# Altium PCB Board_C24_vrs02.PcbDoc (part 1 of 2)
Units mil, origin at the board's own origin, x right, y up, seen from the top; angles counter-clockwise.
Board outline 3346.5 x 3937.01 mil, 2 copper layers (Top Layer, Bottom Layer); 104 components, 99 nets, 511 pads, 285 vias.
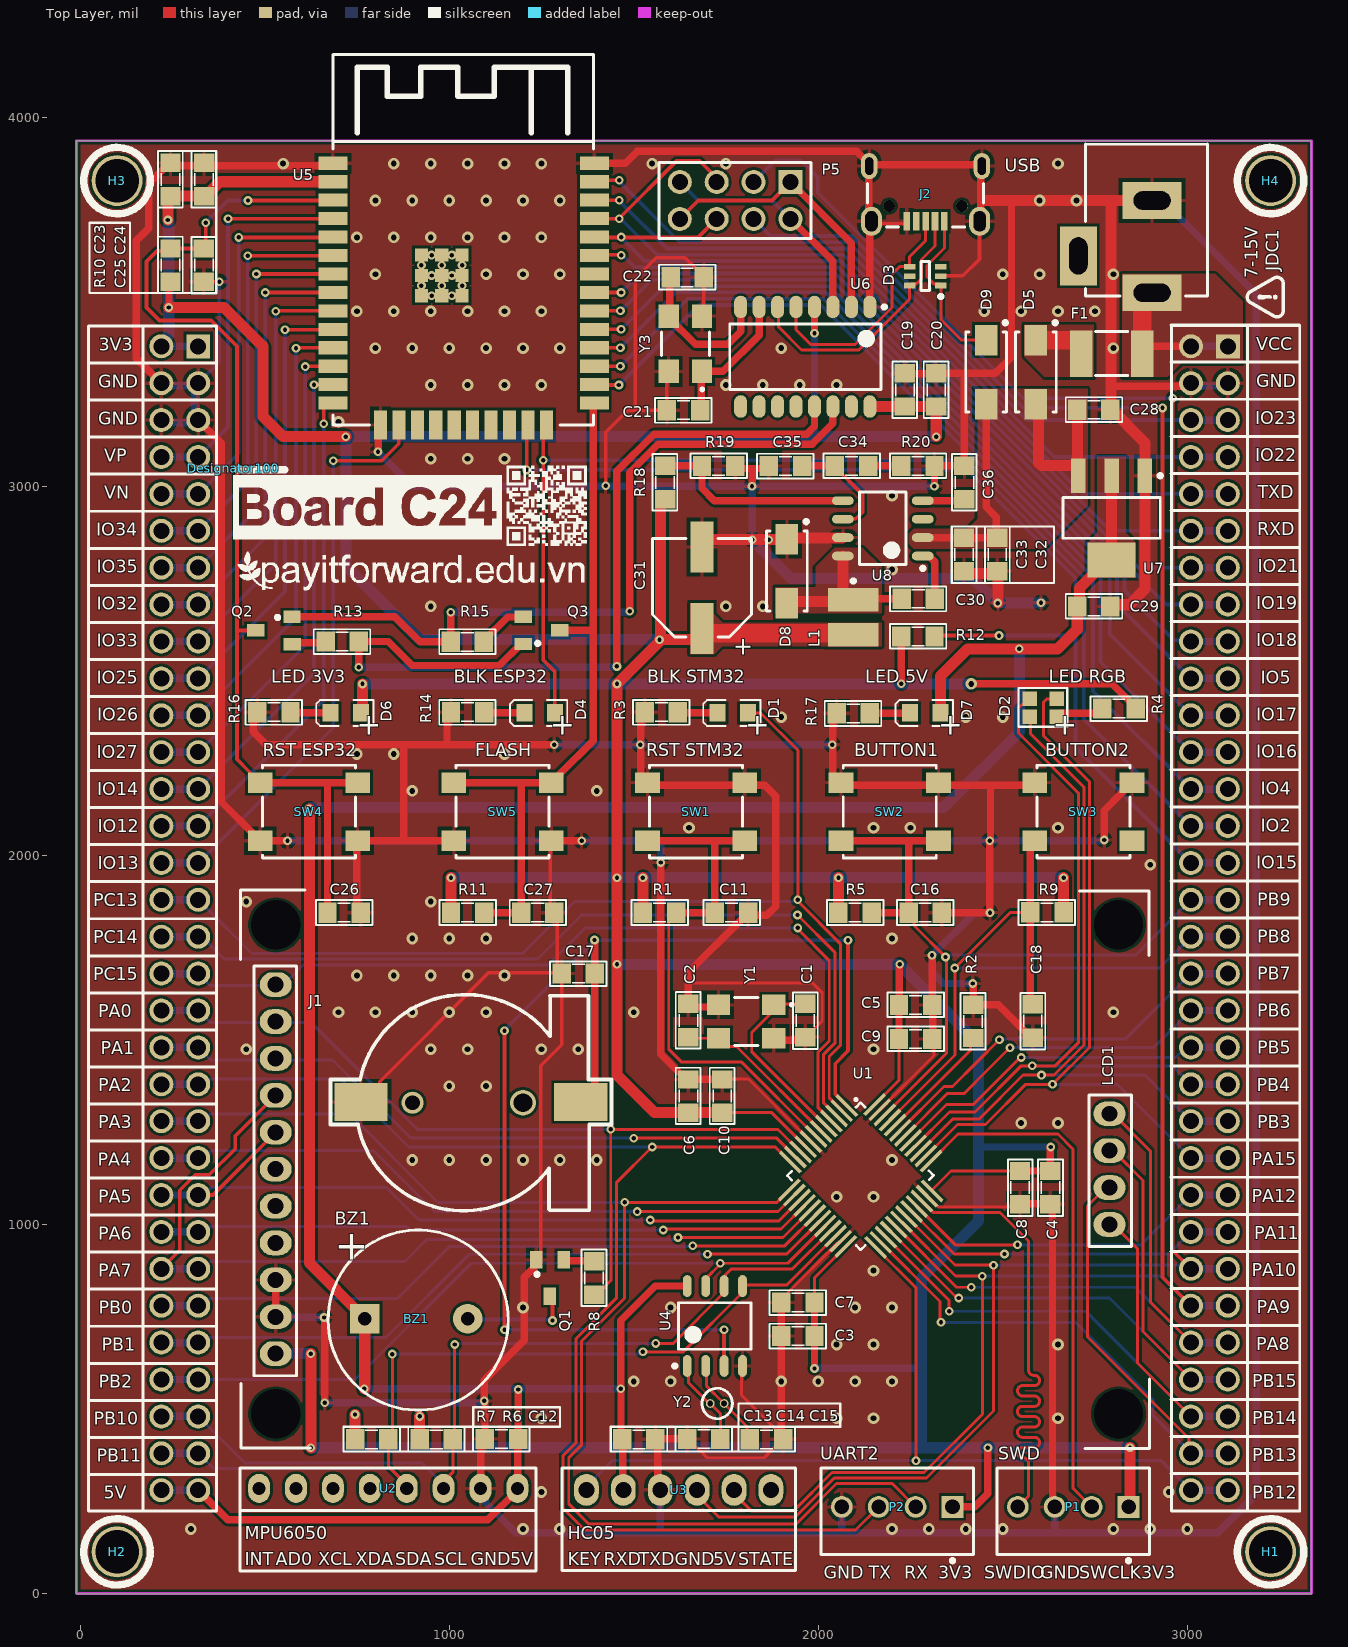
[diagram p0: Top Layer view]
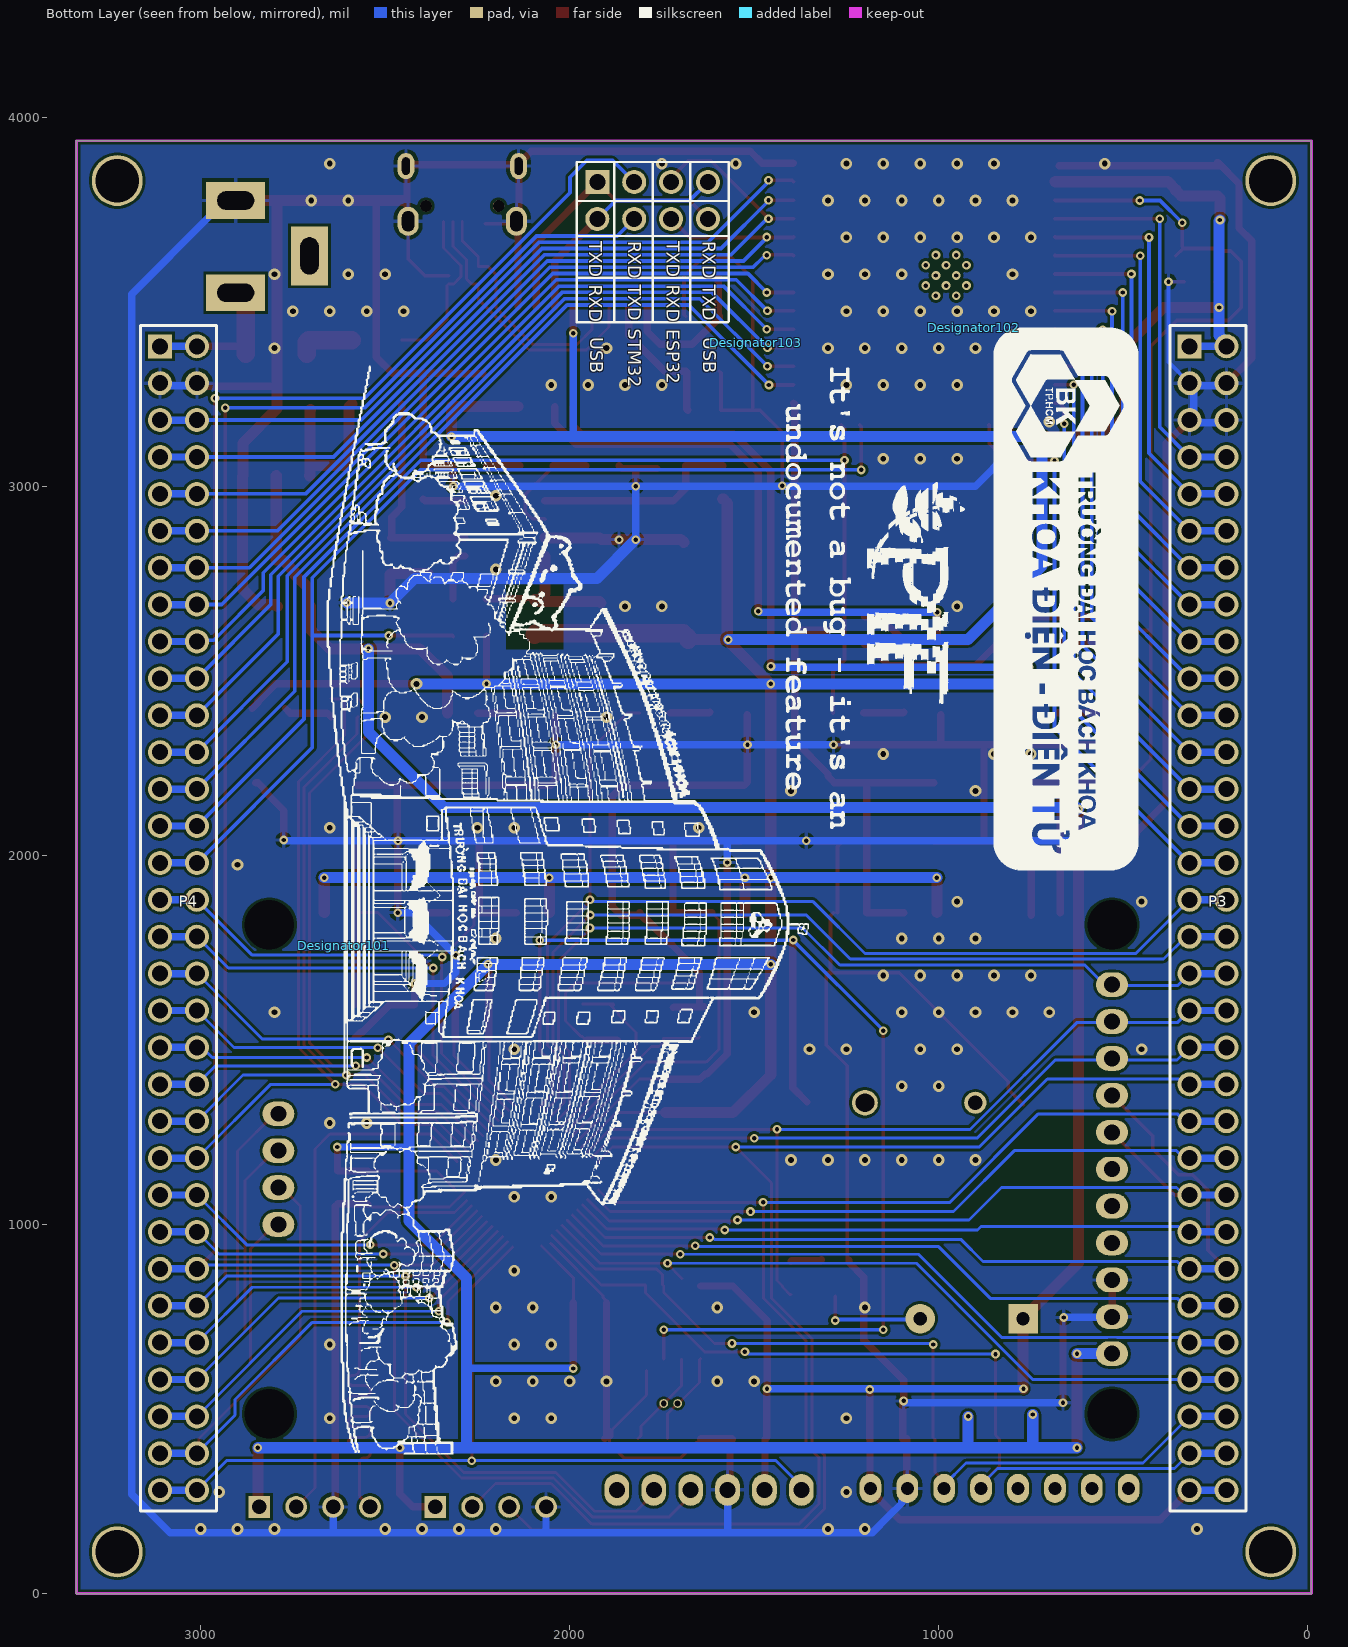
[diagram p1: Bottom Layer view, seen from below]
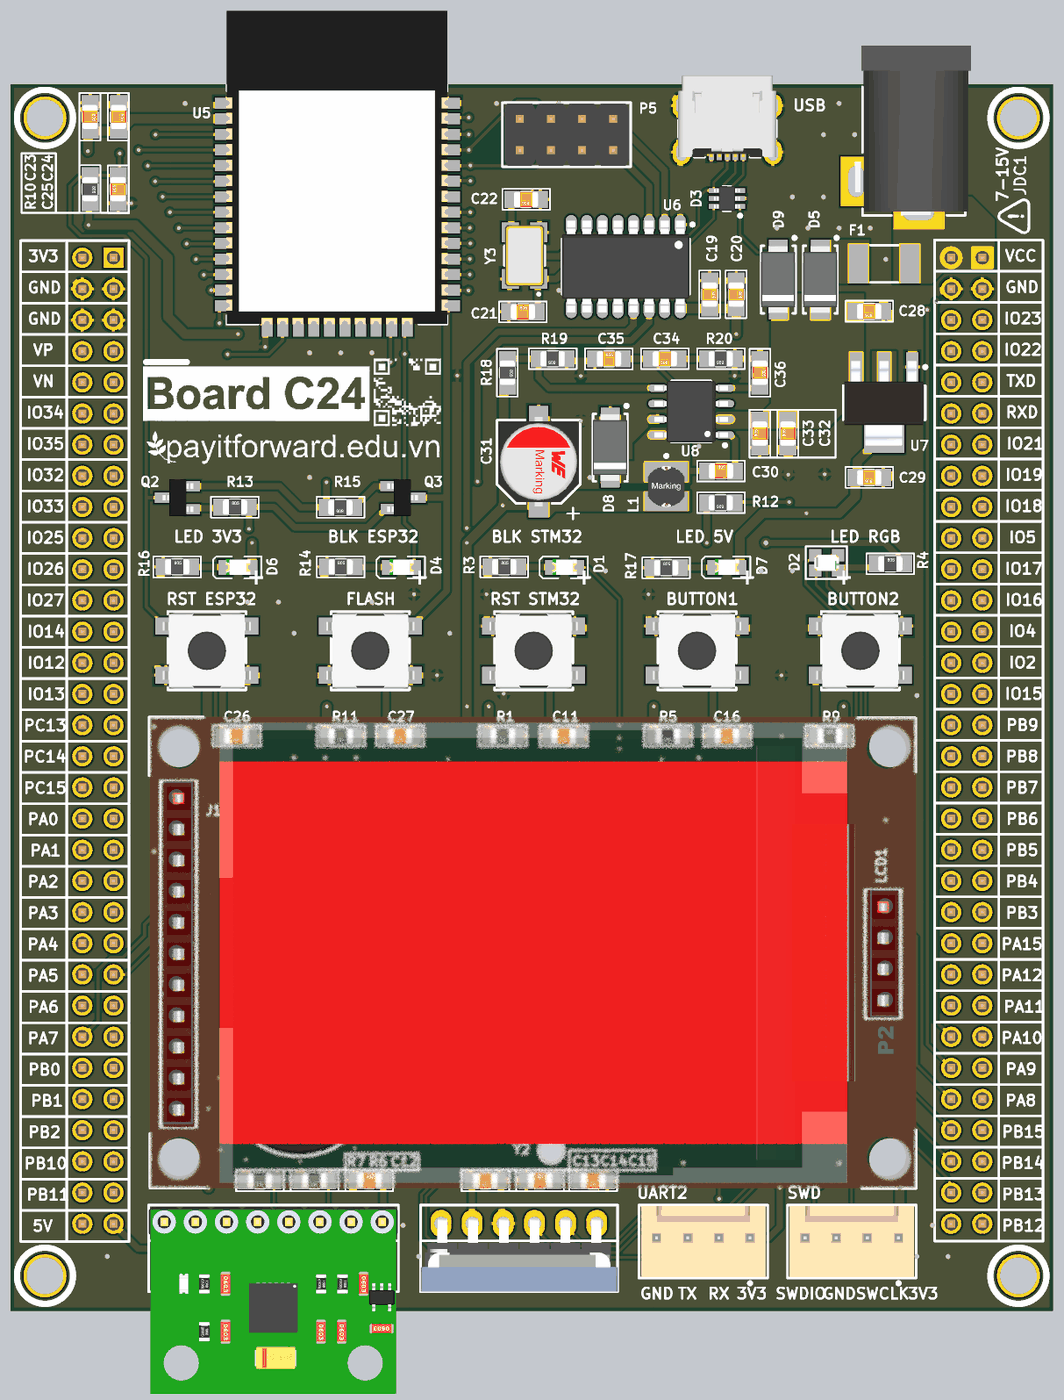
[diagram p3: 3D render of the assembled board from above, using the file's embedded part models]

## Layer stack, top to bottom
Top Solder: solder mask 0.4, Solder Resist, Dk 3.5
Top Layer: signal copper 1.4
Dielectric 1: dielectric 12.6, FR-4, Dk 4.8
Bottom Layer: signal copper 1.4
Bottom Solder: solder mask 0.4, Solder Resist, Dk 3.5

## Board outline
-10,0 -10,3937.01 3336.5,3937.01 3336.5,0

## Design rules (kind name [scope] priority, off if disabled: settings)
Clearance [All] p1: gap=7 ignorepadtopadclearanceinfootprint=FALSE
Height [All] p1: minheight=0 maxheight=3937.01 prefheight=500
PolygonConnect [All] p1: connectstyle=Relief reliefconductorwidth=10 reliefentries=4 polygonreliefangle="90 Angle" airgapwidth=10
RoutingVias [All] p1: holewidth=11.81 width=23.62 viastyle="Through Hole" minholewidth=11.81 minwidth=23.62 maxholewidth=11.81 maxwidth=23.62
SolderMaskExpansion [All] p1: expansion=4 istentingtop=FALSE
Width [All] p1: maxlimit=50 minlimit=8 preferedwidth=20 minimp=50.000000 maximp=50.000000 favimp=50.000000
29 further rules are at their usual default settings.

## Classes and differential pairs
component class Designator: C28 C29 C30 C31 C32 C33 C34 C35 C36 D5 D6 D7 D8 D9 F1 H1 H2 H3 H4 JDC1 L1 R16 R17 R18 R19 R20 U7 U8

## Components (designator, comment, footprint, x,y, rotation, side; value= is the part's Value field where it differs from the comment)
BZ1 "Buzzer" BUZZER 850,745 r0 top (schematic designator B*1)
C1 "Cap Non-Pol SMD" CAP-SM-0805 1965,1507.83 r90 top value=22pF
C2 "Cap Non-Pol SMD" CAP-SM-0805 1648,1597.83 r270 top value=22pF
C3 "Cap Non-Pol SMD" CAP-SM-0805 1900,698 r0 top value=4.7uF
C4 "Cap Non-Pol SMD" CAP-SM-0805 2629.01,1055 r90 top value=4.7uF
C5 "Cap Non-Pol SMD" CAP-SM-0805 2309,1595.01 r180 top value=4.7uF
C6 "Cap Non-Pol SMD" CAP-SM-0805 1648,1393 r270 top value=4.7uF
C7 "Cap Non-Pol SMD" CAP-SM-0805 1900,788.83 r0 top value=100nF
C8 "Cap Non-Pol SMD" CAP-SM-0805 2547,1055 r90 top value=100nF
C9 "Cap Non-Pol SMD" CAP-SM-0805 2309,1503 r180 top value=100nF
C10 "Cap Non-Pol SMD" CAP-SM-0805 1740,1393 r270 top value=100nF
C11 "Cap Non-Pol SMD" CAP-SM-0805 1810,1845 r180 top value=100nF
C12 "Cap Non-Pol SMD" CAP-SM-0805 1097,419 r0 top value=100nF
C13 "Cap Non-Pol SMD" CAP-SM-0805 1559,418 r180 top value=100nF
C14 "Cap Non-Pol SMD" CAP-SM-0805 1645,419 r0 top value=22pF
C15 "Cap Non-Pol SMD" CAP-SM-0805 1905,418 r180 top value=22pF
C16 "Cap Non-Pol SMD" CAP-SM-0805 2335,1845 r180 top value=100nF
C17 "Cap Non-Pol SMD" CAP-SM-0805 1305,1680 r0 top value=10uF
C18 "Cap Non-Pol SMD" CAP-SM-0805 2581.5,1506.5 r90 top value=100nF
C19 "Cap Non-Pol SMD" CAP-SM-0805 2235,3306.85 r270 top value=100nF
C20 "Cap Non-Pol SMD" CAP-SM-0805 2320,3306.85 r270 top value=100nF
C21 "Cap Non-Pol SMD" CAP-SM-0805 1590,3206.85 r0 top value=22pF
C22 "Cap Non-Pol SMD" CAP-SM-0805 1690,3566.85 r180 top value=22pF
C23 "Cap Non-Pol SMD" CAP-SM-0805 245,3876.85 r270 top value=22uF
C24 "Cap Non-Pol SMD" CAP-SM-0805 336,3876.85 r270 top value=100nF
C25 "Cap Non-Pol SMD" CAP-SM-0805 335,3555 r90 top value=100nF
C26 "Cap Non-Pol SMD" CAP-SM-0805 760.35,1845 r180 top value=100nF
C27 "Cap Non-Pol SMD" CAP-SM-0805 1285,1845 r180 top value=100nF
C28 "Cap Non-Pol SMD" CAP-SM-0805 2792,3208 r180 top value=10uF
C29 "Cap Non-Pol SMD" CAP-SM-0805 2792,2674.83 r180 top value=10uF
C30 "Cap Non-Pol SMD" CAP-SM-0805 2226.23,2695.83 r0 top value=100nF
C31 "100uF" WCAP-ASLI_D6.3H5.5 1685.23,2725.59 r270 top
C32 "Cap Non-Pol SMD" CAP-SM-0805 2485.23,2770.83 r90 top value=10uF
C33 "Cap Non-Pol SMD" CAP-SM-0805 2395.23,2770.83 r90 top value=100nF
C34 "Cap Non-Pol SMD" CAP-SM-0805 2135.23,3055.83 r180 top value=1nF
C35 "Cap Non-Pol SMD" CAP-SM-0805 1866.23,3055.83 r0 top value=47pF
C36 "Cap Non-Pol SMD" CAP-SM-0805 2396.24,3055.83 r270 top value=100nF
D1 "LED SMD" LED_0805_Blue 1768.66,2386.3 r180 top
D2 "Red & Green & Blue, 120°" WL-SFCD_0805 2610,2400.65 r180 top
D3 "SMF05C" "SC70 6L" 2290,3570 r180 top
D4 "LED SMD" LED_0805_Blue 1245,2386.3 r180 top
D5 "D Schottky" SS34 2590,3310 r270 top
D6 "LED SMD" LED_0805_Blue 720,2386.3 r180 top
D7 "LED SMD" LED_0805_Blue 2290,2386.3 r180 top
D8 "D Schottky" SS34 1915.23,2770.83 r270 top
D9 "D Schottky" SS34 2455,3310 r270 top
Designator100 "Comment" LogoPIFWeb 415,3049 r0 top
Designator101 "Comment" BK_Image 2612,1755 r270 bottom
Designator102 "Comment" DEE_IMAGE 905,3430 r270 bottom
Designator103 "Comment" PIF_BUG 1495,3390 r270 bottom
F1 "Fuse" "FUSE SMD" 2795,3360 r180 top
H1 "Hole" "LO KHOAN 3MM" 3226,113 r180 top
H2 "Hole" "LO KHOAN 3MM" 100,113 r180 top
H3 "Hole" "LO KHOAN 3MM" 100,3828.85 r180 top
H4 "Hole" "LO KHOAN 3MM" 3226,3828.85 r180 top
J1 "Battery 3V" SocketPin3V 1058.7,1330 r0 top
J2 "629105150521" 629105150521 2291,3832.85 r180 top
JDC1 "Jack DC" DC-IN 2805,3650 r270 top value="Jac DC"
L1 "10µH, 1.28A" WE-PD2_3521 2095.23,2645.83 r0 top
LCD1 "ILI9225" "LCD TFT ILI9225" 2789.48,1300.16 r270 top
P1 "61900411121" 61900411121 2691,222.94 r0 top
P2 "61900411121" 61900411121 2214,222.94 r0 top
P3 "61306421121" 61306421121 270,1830 r270 bottom
P4 "61306421121" 61306421121 3060,1830 r270 bottom
P5 "61300821121" 61300821121 1775,3775 r180 top
Q1 "C1815" SOT23B 1273,855 r180 top
Q2 "C1815" SOT23B 525,2610 r90 top
Q3 "C1815" SOT23B 1250,2610 r270 top
R1 "RESISTOR SMD" RES-SM-0805 1615,1845 r180 top value=10K
R2 "RESISTOR SMD" RES-SM-0805 2420,1595.5 r270 top value=10K
R3 "RESISTOR SMD" RES-SM-0805 1530,2388.3 r0 top value=1K
R4 "RESISTOR SMD" RES-SM-0805 2770,2398.3 r0 top value=1K
R5 "RESISTOR SMD" RES-SM-0805 2145,1845 r180 top value=10K
R6 "RESISTOR SMD" RES-SM-0805 1010,418 r180 top value=10K
R7 "RESISTOR SMD" RES-SM-0805 835,418 r180 top value=10K
R8 "RESISTOR SMD" RES-SM-0805 1393,900 r270 top value=1K
R9 "RESISTOR SMD" RES-SM-0805 2575,1846 r0 top value=10K
R10 "RESISTOR SMD" RES-SM-0805 245,3645 r270 top value=10K
R11 "RESISTOR SMD" RES-SM-0805 1095,1845 r180 top value=10K
R12 "RESISTOR SMD" RES-SM-0805 2315.23,2593.73 r180 top value=10K
R13 "RESISTOR SMD" RES-SM-0805 665,2580 r0 top value=10K
R14 "RESISTOR SMD" RES-SM-0805 1005,2388.3 r0 top value=10K
R15 "RESISTOR SMD" RES-SM-0805 1094,2579 r180 top value=10K
R16 "RESISTOR SMD" RES-SM-0805 480,2388.3 r0 top value=1K
R17 "RESISTOR SMD" RES-SM-0805 2050,2385.3 r0 top value=1K
R18 "RESISTOR SMD" RES-SM-0805 1585.23,3055.83 r270 top value=10.2K
R19 "RESISTOR SMD" RES-SM-0805 1775.23,3055.83 r180 top value=3.3K
R20 "RESISTOR SMD" RES-SM-0805 2315.23,3055.83 r180 top value=3.3K
SW1 "430483035816" WS-TASV_L6W6H3.5_4304x30358x6 1669.29,2118.74 r0 top
SW2 "430483035816" WS-TASV_L6W6H3.5_4304x30358x6 2193.94,2118.74 r0 top
SW3 "430483035816" WS-TASV_L6W6H3.5_4304x30358x6 2718.58,2118.74 r0 top
SW4 "430483035816" WS-TASV_L6W6H3.5_4304x30358x6 620,2118.74 r180 top
SW5 "430483035816" WS-TASV_L6W6H3.5_4304x30358x6 1144.65,2118.74 r180 top
U1 "STM32F103C8T6" LQFP48 2078.43,1320.01 r225 top
U2 "MPU6050" MPU-6050 1185,285 r180 top
U3 "HC-05" HC-05 1872,281 r180 top
U4 "DS1307" SOIC-4 1720,725 r90 top
U5 "ESP32-WROOM-32E" ESP32-WROOM 684.61,3166.85 r0 top
U6 "CH340G" DSIP-16 1965,3351.69 r270 top
U7 "ASM1117 - 5V/1A" SOT223-4N 2795,2915 r270 top value=LM317
U8 "TPS54231D" SOIC8 2175.23,2886.58 r180 top
Y1 "8MHz" WE-XTAL_CFPX-104 1805,1550 r180 top
Y2 "32.768kHz" WE-XTAL_WATCH_830002997B 1726.22,515 r0 top
Y3 "12MHz" WE-XTAL_CFPX-104 1640,3386.85 r90 top

## Footprints (in the part's own frame and the unit in brackets; to place one, negate y for a bottom-side part, rotate by r counter-clockwise, add the part's x,y. Pads: shape width x height; smd on the part's side, far side on the other; paste and mask are expansions set on the pad)
61300821121 [mm] "Pin Header, pitch 2.54 mm, THT, Vertical, dual row, 8p"
  rect 1.65x1.65 hole 1.1: 1(-3.81,-1.27)
  round 1.65 hole 1.1: 2(-3.81,1.27) 3(-1.27,-1.27) 4(-1.27,1.27) 5(1.27,-1.27) 6(1.27,1.27) 7(3.81,-1.27) 8(3.81,1.27)
  silkscreen extent -5.23,-2.62 5.23,2.62, body extent -5.08,-2.54 5.08,2.54, height 8.59
61306421121 [mm] "Pin Header, pitch 2.54 mm, THT, Vertical, dual row, 64p"
  rect 1.65x1.65 hole 1.1: 1(-39.37,-1.27)
  round 1.65 hole 1.1: 2(-39.37,1.27) 3(-36.83,-1.27) 4(-36.83,1.27) 5(-34.29,-1.27) 6(-34.29,1.27) 7(-31.75,-1.27) 8(-31.75,1.27) 9(-29.21,-1.27) 10(-29.21,1.27) 11(-26.67,-1.27) 12(-26.67,1.27) 13(-24.13,-1.27) 14(-24.13,1.27) 15(-21.59,-1.27) 16(-21.59,1.27) 17(-19.05,-1.27) 18(-19.05,1.27) 19(-16.51,-1.27) 20(-16.51,1.27) 21(-13.97,-1.27) 22(-13.97,1.27) 23(-11.43,-1.27) 24(-11.43,1.27) 25(-8.89,-1.27) 26(-8.89,1.27) 27(-6.35,-1.27) 28(-6.35,1.27) 29(-3.81,-1.27) 30(-3.81,1.27) 31(-1.27,-1.27) 32(-1.27,1.27) 33(1.27,-1.27) 34(1.27,1.27) 35(3.81,-1.27) 36(3.81,1.27) 37(6.35,-1.27) 38(6.35,1.27) 39(8.89,-1.27) 40(8.89,1.27) 41(11.43,-1.27) 42(11.43,1.27) 43(13.97,-1.27) 44(13.97,1.27) 45(16.51,-1.27) 46(16.51,1.27) 47(19.05,-1.27) 48(19.05,1.27) 49(21.59,-1.27) 50(21.59,1.27) 51(24.13,-1.27) 52(24.13,1.27) 53(26.67,-1.27) 54(26.67,1.27) 55(29.21,-1.27) 56(29.21,1.27) 57(31.75,-1.27) 58(31.75,1.27) 59(34.29,-1.27) 60(34.29,1.27) 61(36.83,-1.27) 62(36.83,1.27) 63(39.37,-1.27) 64(39.37,1.27)
  silkscreen extent -40.79,-2.62 40.79,2.62, body extent -40.64,-2.54 40.64,2.54, height 8.59
61900411121 [mm] "2.54mm Male Locking Header, 4p"
  rect 1.5x1.5 hole 1: 1(3.81,0.3)
  round 1.5 hole 1: 2(1.27,0.3) 3(-1.27,0.3) 4(-3.81,0.3)
  silkscreen extent -5.25,-3.52 5.25,2.98, body extent -5.08,-2.9 5.08,2.9, height 11.53
629105150521 [mm] "Micro USB 2.0 SMT Type B Horizontal 5 Contacts High Current"
  rect 0.45x1.3 smd: 1(-1.3,2.9) 2(-0.65,2.9) 3(0,2.9) 4(0.65,2.9) 5(1.3,2.9)
  round 0.8 hole 0.8 unplated: MH1(-2.5,1.85) MH2(2.5,1.85)
  oval 1.15x1.8 hole 0.55 slot 1.2 at 90 deg: Shell(-3.875,-0.9) Shell(3.875,-0.9)
  oval 1.45x2 hole 0.85 slot 1.4 at 90 deg: Shell(-3.725,2.9) Shell(3.725,2.9)
  silkscreen extent -4,0.3 4,3.3, body extent -4,-3.3 4,3.3, height 2.75
BK_Image [mil]
  silkscreen extent -1572,-46 1378,1260
BUZZER [mil]
  rect 80x80 hole 36: 1(-78.73,0)
  round 80 hole 36: 2(200,0)
  silkscreen extent -178,-248 310,240, body extent -170,-240 302,232, height 335
CAP-SM-0805 [mil]
  rect 50x55 smd: 1(0,0) 2(90,0)
  silkscreen extent -32,-34 121,33, body extent 6,-25 84,25, height 31
DC-IN [mil] "Jac DC input"
  rect 100x160 hole 50 slot 100 at 90 deg: 1(125,100) 2(-125,100)
  rect 160x100 hole 50 slot 100 at 0 deg: 3(25,-100)
  silkscreen extent -278,-80 134,250, body extent -410,-105 134,269, height 434
DEE_IMAGE [mil]
  silkscreen extent 0,55 1470,446
DSIP-16 [mm] "SOIC, 16-Leads, Body 10.40x5.30mm, Pitch 1.27mm, Thermal Pad 0.00x0.00mm, IPC Medium Density"
  oval 1.55x0.9 smd: 1(-3.425,4.445) 2(-3.425,3.175) 3(-3.425,1.905) 4(-3.425,0.635) 5(-3.425,-0.635) 6(-3.425,-1.905) 7(-3.425,-3.175) 8(-3.425,-4.445) 9(3.425,-4.445) 10(3.425,-3.175) 11(3.425,-1.905) 12(3.425,-0.635) 13(3.425,0.635) 14(3.425,1.905) 15(3.425,3.175) 16(3.425,4.445)
  silkscreen extent -3.55,-5.2 2.25,5.57, body extent -3.75,-5.2 3.75,5.2, height 2.25
ESP32-WROOM [mm]
  rect 2x0.9 smd mask+0.102: 1(0,18.01) 2(0,16.74) 3(0,15.47) 4(0,14.2) 5(0,12.93) 6(0,11.66) 7(0,10.39) 8(0,9.12) 9(0,7.85) 10(0,6.58) 11(0,5.31) 12(0,4.04) 13(0,2.77) 14(0,1.5) 25(18,1.5) 26(18,2.77) 27(18,4.04) 28(18,5.31) 29(18,6.58) 30(18,7.85) 31(18,9.12) 32(18,10.39) 33(18,11.66) 34(18,12.93) 35(18,14.2) 36(18,15.47) 37(18,16.74) 38(18,18.01)
  rect 0.9x2 smd mask+0.102: 15(3.28,0) 16(4.55,0) 17(5.82,0) 18(7.09,0) 19(8.36,0) 20(9.63,0) 21(10.9,0) 22(12.17,0) 23(13.44,0) 24(14.71,0)
  rect 0.9x0.9 smd mask+0.102: 39(6.1,8.89) 39(6.1,10.29) 39(6.1,11.69) 39(7.5,8.89) 39(7.5,10.29) 39(7.5,11.69) 39(8.9,8.89) 39(8.9,10.29) 39(8.9,11.69)
  silkscreen extent 0,0 17.94,25.5, body extent -0.07,0 18,25.54, height 3.04
"FUSE SMD" [mm] "SMD FUSE"
  rect 1.55x3.21 smd: 1(-2.1,0) 2(2.1,0)
  silkscreen extent -1.12,-1.52 1.12,1.5, body extent -2.37,-1.71 2.36,1.71, height 0.75
HC-05 [mm]
  oval 1.7x2.2 hole 1.1 mask+0.102: 1(12.7,0) 2(10.16,0) 3(7.62,0) 4(5.08,0) 5(2.54,0) 6(0,0)
  silkscreen extent -1.7,-1.5 14.38,5.56, body extent -1.73,-0.43 14.37,5.57, height 37.75
"LCD TFT ILI9225" [mm]
  oval 1.7x2.2 hole 1.1 mask+0.102: 1(-8.886,-57.391) 2(-6.346,-57.391) 3(-3.806,-57.391) 4(-1.266,-57.391) 5(1.274,-57.391) 6(3.814,-57.391) 7(6.354,-57.391) 8(8.894,-57.391) 9(11.434,-57.391) 10(13.974,-57.391) 11(16.514,-57.391) 12(7.62,0) 13(5.08,0) 14(2.54,0) 15(0,0)
  oval 1.5x2 hole 3.4 mask+0.102: NC(-13.006,0.619) NC(-13.006,-57.391) NC(20.654,0.619) NC(20.654,-57.391)
  silkscreen extent -15.39,-59.82 23.04,2.74, body extent -15.4,-59.78 23.05,2.76, height 14.67
LED_0805_Blue [mm] "Chip LED, 2-Leads, Body 2.0x1.3mm, IPC Medium Density"
  rect 1.1x1.2 smd: 1(-1.05,0) 2(1.05,0)
  silkscreen extent -1.91,-0.89 2.03,0.89, body extent -1,-0.63 1,0.62, height 0.68
"LO KHOAN 3MM" [mil]
  round 138 hole 118.1: 1(0,0)
LogoPIFWeb [mil]
  silkscreen extent -1,-330 957,7
LQFP48 [mm] "CQFP, 148-Leads, Body 33.75x33.75mm, Pitch 0.64mm, IPC Medium Density"
  rect 0.25x2 smd: 1(-0.025,-0.052) 2(0.475,-0.052) 3(0.975,-0.052) 4(1.475,-0.052) 5(1.975,-0.052) 6(2.475,-0.052) 7(2.975,-0.052) 8(3.475,-0.052) 9(3.975,-0.052) 10(4.475,-0.052) 11(4.975,-0.052) 12(5.475,-0.052) 25(5.475,8.25) 26(4.975,8.25) 27(4.475,8.25) 28(3.975,8.25) 29(3.475,8.25) 30(2.975,8.25) 31(2.475,8.25) 32(1.975,8.25) 33(1.475,8.25) 34(0.975,8.25) 35(0.475,8.25) 36(-0.025,8.25)
  rect 2x0.25 smd: 13(6.876,1.249) 14(6.876,1.749) 15(6.876,2.249) 16(6.876,2.749) 17(6.876,3.249) 18(6.876,3.749) 19(6.876,4.249) 20(6.876,4.749) 21(6.876,5.249) 22(6.876,5.749) 23(6.876,6.249) 24(6.876,6.749) 37(-1.426,6.749) 38(-1.426,6.249) 39(-1.426,5.749) 40(-1.426,5.249) 41(-1.426,4.749) 42(-1.426,4.249) 43(-1.426,3.749) 44(-1.426,3.249) 45(-1.426,2.749) 46(-1.426,2.249) 47(-1.426,1.749) 48(-1.426,1.249)
  silkscreen extent -0.85,0.05 6.32,7.65, body extent -1.77,-0.49 7.23,8.51, height 1.55
MPU-6050 [mm]
  oval 1.5x2 hole 0.9 mask+0.102: 1(0,0) 2(2.54,0) 3(5.08,0) 4(7.62,0) 5(10.16,0) 6(12.7,0) 7(15.24,0) 8(17.78,0)
  silkscreen extent -1.27,-1.4 19.1,1.52, body extent -1.22,-1.27 19.1,13.98, height 5.77
PIF_BUG [mil]
  silkscreen extent 68,80 1318,566
RES-SM-0805 [mil]
  rect 50x55 smd: 1(0,0) 2(90,0)
  silkscreen extent -32,-34 121,33, body extent 6,-25 84,25, height 31
"SC70 6L" [mm] "SOT23, 6-Leads, Body 1.95x2.10mm, Pitch 0.65mm, IPC Medium Density"
  rect 0.8x0.4 smd: 1(-1.075,0.65) 2(-1.075,0) 3(-1.075,-0.65) 4(1.075,-0.65) 5(1.075,0) 6(1.075,0.65)
  silkscreen extent -1.2,-1 0.3,1.52, body extent -1.05,-1 1.05,1, height 1.1
SocketPin3V [mm]
  rect 3.66x2.6 smd: 1(7.57,0.051) 2(-7.57,0.051)
  round 1.524 hole 1: 42(-4.014,0)
  round 1.778 hole 1.3: 43(3.589,0)
  silkscreen extent -9.65,-7.43 9.68,7.44, body extent -9.37,-7.37 9.43,7.37, height 4.34
SOIC8 [mm] "SOIC, 8-Leads, Body 4.91x3.90mm, Pitch 1.27mm, Thermal Pad 0.00x0.00mm, IPC Medium Density"
  oval 1.5x0.6 smd: 1(-2.75,1.905) 2(-2.75,0.635) 3(-2.75,-0.635) 4(-2.75,-1.905) 5(2.75,-1.905) 6(2.75,-0.635) 7(2.75,0.635) 8(2.75,1.905)
  silkscreen extent -2.88,-2.5 1.6,2.88, body extent -3.01,-2.5 3.01,2.5, height 1.75
SOIC-4 [mm] "SOIC, 8-Leads, Body 4.88x3.91mm, Pitch 1.27mm, Thermal Pad 0.00x0.00mm, IPC Medium Density"
  oval 1.5x0.6 smd: 1(-2.75,1.905) 2(-2.75,0.635) 3(-2.75,-0.635) 4(-2.75,-1.905) 5(2.75,-1.905) 6(2.75,-0.635) 7(2.75,0.635) 8(2.75,1.905)
  silkscreen extent -2.87,-2.5 1.6,2.88, body extent -3.01,-2.5 3.01,2.5, height 1.75
SOT23B [mm] "SOT 23B"
  rect 0.85x1.2 smd: 1(0.94,-1.245) 2(0,1.25) 3(-0.95,-1.25)
  silkscreen extent 0.77,-0.38 1.02,-0.13, body extent -1.5,-1.3 1.5,1.2, height 1.06
SOT223-4N [mm] "SOT223, 4-Leads, Body 6.5x3.5mm, Pitch 2.3mm, Lead Span 7mm, IPC Medium Density"
  rect 2.4x1 smd: 1(-2.9,2.3) 2(-2.9,0) 3(-2.9,-2.3)
  rect 2.4x3.3 smd: 4(2.9,0)
  silkscreen extent -3.02,-3.35 1.4,3.48, body extent -3.39,-3.27 3.5,3.23, height 1.72
SS34 [mm] "DO-214-AC/SMA Molded Diode, Body 5.3x2.6mm, IPC Medium Density"
  rect 2.1x1.55 smd: 1(-2.2,0) 2(2.2,0)
  silkscreen extent -3.52,-1.4 2.75,1.45, body extent -2.75,-1.42 2.75,1.38, height 2.3
WCAP-ASLI_D6.3H5.5 [mm] "Aluminium Electrolytic V-Chip SMT Capacitors, 6.3x5.5mm"
  rect 3.5x1.6 smd: 1(2.8,0) 2(-2.8,0)
  silkscreen extent -3.4,-3.4 3.4,3.4, body extent -3.65,-3.3 3.65,3.3, height 5.5
WE-PD2_3521 [mm] "SMD Power Inductor, 2-Leads, body 3x3.5mm"
  rect 3.5x1.6 smd: 1(0,1.2) 2(0,-1.2)
  silkscreen extent -0.12,2.37 0.13,2.62, body extent -1.5,-1.68 1.5,1.68, height 2.12
WE-XTAL_CFPX-104 [mm] "Quartz Crystal, size CFPX-104, body 5x3.2mm"
  rect 1.6x1.4 smd: 1(-1.9,-1.15) 2(1.9,-1.15) 3(1.9,1.15) 4(-1.9,1.15)
  silkscreen extent -3.24,-1.65 0.8,1.65, body extent -2.5,-1.6 2.5,1.6, height 0.95
WE-XTAL_WATCH_830002997B [mm] "Quartz Crystal, size WATCH, body diameter 2mm"
  round 0.6 hole 0.4: 1(-0.477,0) 2(0.477,0)
  silkscreen extent -1.05,-1.05 1.05,1.05, body extent -1,-1 1,1, height 6.2
WL-SFCD_0805 [mm] "SMD Full-color Chip LED Diffused, body 2x1.3mm"
  rect 1x1 smd: 1(0.925,0.625) 2(0.925,-0.625) 3(-0.925,-0.625) 4(-0.925,0.625)
  body extent -1,-0.65 1,0.65, height 0.5
WS-TASV_L6W6H3.5_4304x30358x6 [mm] "SMD Tact Switch, body 6x6mm"
  rect 1.7x1.4 smd: A1(-3.35,2) A2(3.35,2) B1(-3.35,-2) B2(3.35,-2)
  silkscreen extent -3.2,-3.2 3.2,3.2, body extent -3.6,-3.1 3.6,3.1, height 3.5

## Part data
C1 C2 C3 C4 C5 C6 C7 C8 C9 C10 C11 C12 C13 C14 C15 C16 C17 C18 C19 C20 C21 C22 C23 C24 C25 C26 C27 C28 C29 C30 C32 C33 C34 C35 C36: "Capacitor"
C31: library part 865080243007, "WCAP-ASLI Aluminum Electrolytic Capacitor, V-Chip, D6.3 x H5.5mm, 100uF, 10V", Capacitance Tolerance=+/-20%, Leakage Current=10uA, Manufacturer="Wurth Elektronik", Operating Temperature Max=105°C, Operating Temperature Min=-55°C, Rated Voltage (DC)=10V, Ripple Current=240mA, Capacitance=100uF, Category="Aluminum Electrolytic Capacitors", ComponentLink1Description="Website Link", ComponentLink1URL=https://www.we-online.com/redexpert/article/865080243007?ad, ComponentLink2Description="Datasheet Link", ComponentLink2URL=https://www.we-online.com/redexpert/spec/865080243007?ad, Diameter=6.3mm, Dissipation Factor=19%, Endurance=2000h, Height=5.5mm, Manufacturer Part Number=865080243007, Match Code=WCAP-ASLI, Mount="Surface Mount", Packaging="Tape and Reel", Technical Reference=ASED055101M010DVCTBB000
D1 D4 D6 D7: "LED"
D2: library part 150080M153000, "WL-SFCD SMT Full-color Chip LED Diffused, size 0805, Red & Green & Blue, 120°", Case/Size Code=0805, Emitting Color="Red & Green & Blue", Forward Voltage (Blue)=3.3V, Forward Voltage (Red)=2V, Manufacturer="Wurth Elektronik", Operating Temperature Max=85°C, Operating Temperature Min=-40°C, Category="Signal LEDs", Chip Technology="AlInGaP + InGaN", ComponentLink1Description="Website Link", ComponentLink1URL=https://www.we-online.com/redexpert/article/150080M153000?ad, ComponentLink2Description="Datasheet Link", ComponentLink2URL=https://www.we-online.com/redexpert/spec/150080M153000?ad, Dominant Wavelength (Blue)=470nm, Dominant Wavelength (Green)=525nm, Dominant Wavelength (Red)=624nm, Forward Voltage (Green)=3.3V, Height=0.5mm, Length=2mm, Luminous Intensity (Blue)=70mcd, Luminous Intensity (Green)=285mcd, Luminous Intensity (Red)=112mcd, Manufacturer Part Number=150080M153000, Match Code=WL-SFCD, Mount="Surface Mount", Packaging="Tape and Reel", Peak Wavelength (Blue)=468nm, Peak Wavelength (Green)=520nm, Peak Wavelength (Red)=632nm, Viewing Angle=120°, Width=1.3mm
D3: library part SMF05, "12.5V Clamp 8A (8/20µs) Ipp Tvs Diode Surface Mount SC-70-6", Capacitance @ Frequency="130pF @ 1MHz", Current - Peak Pulse (10/1000µs)="8A (8/20µs)", Mfr="Semtech Corporation", Operating Temperature="-55°C ~ 125°C (TJ)", Power - Peak Pulse=100W, Voltage - Breakdown (Min)=6V, Voltage - Clamping (Max) @ Ipp=12.5V, Voltage - Reverse Standoff (Typ)="5V (Max)", Category="Circuit Protection", ComponentLink1Description=Datasheet, ComponentLink1URL=https://datasheet.lcsc.com/lcsc/1809291621_SEMTECH-SMF05C-TCT_C85191.pdf*, ComponentLink2Description=Thegioiic, ComponentLink2URL=https://www.thegioiic.com/smf05c-tct, Type=Zener, Unidirectional Channels=5
D5 D8 D9: "Schottky Diode", Code_JEDEC=DO-214-AA, LatestRevisionDate=17-Jul-2002, LatestRevisionNote="Re-released for DXP Platform.", PackageDescription="DO-214-AA/SMB; 2 C-Bend Leads; Body 5.3 x 3.6 mm, inc. leads (LxW)", PackageReference=SMB, Published=8-Jun-2000, Publisher="Altium Limited"
H1 H2 H3 H4: "Hole 3mm"
J1: library part Battery-3V, "Socket CR1220 SMD"
J2: "Micro USB 2.0 Type B Receptacle WR-COM, Horizontal, SMT, with Pegs, High Current at Pin 1 & Pin 5", Contact Resistance="30 mOhm", Operating Temperature="-40 to 85 degC", Rated Current="3 A", Working Voltage="30 VAC", ComponentLink1Description=Manufacturer, ComponentLink1URL=http://www.we-online.de, ComponentLink2Description=Datasheet, ComponentLink2URL=https://katalog.we-online.de/em/datasheet/629105150521.pdf, Connector Type="Micro USB 2.0 Type B", Gender=Receptacle, Mounting Technology=SMT, Orientation=Horizontal, Packaging="Tape and Reel", Part Number=629105150521, Published Date="September 2018", Publisher="Wurth Elektronik"
JDC1: "Jack DC input"
L1: library part 7447732110, "WE-PD2 SMT Power Inductor, size 3521, 10µH, 0.8A, 0.3Ω", Case/Size Code=3521, DC Resistance=0.237Ω, DC Resistance Max=0.3Ω, Inductance=10µH, Manufacturer="Wurth Elektronik", Operating Temperature Max=125°C, Operating Temperature Min=-40°C, Rated Current=0.8A, Saturation Current=1.23A, Self Resonant Frequency=45MHz, Category="Unshielded Power Inductors", ComponentLink1Description="Website Link", ComponentLink1URL=https://www.we-online.com/redexpert/article/7447732110?ad, ComponentLink2Description="Datasheet Link", ComponentLink2URL=https://www.we-online.com/redexpert/spec/7447732110?ad, Height=2.1mm, Length=3mm, Manufacturer Part Number=7447732110, Match Code=WE-PD2, Mount="Surface Mount", Packaging="Tape and Reel", Width=3.5mm
LCD1: library part "LCD TFT", "The ILI9225 is a 262,144-color one-chip SoC driver for a-TFT liquid crystal display with resolution of 176RGBx220 dots, comprising a 528-channel source driver, a 220-channel gate driver, 87120 bytes RAM for graphic data of 176RGBx220 dots, and power supply circuit.", Display Color="16BIT RGB 65K color", Operating Temperature=-20℃~60℃, Operating Voltage=5V/3.3V, Power Consumption=TBD, Rough Weight(Package containing)="23 (g)", Storage Temperature=-30℃~70℃, Active Area="34.85x43.56 (mm)", Backlight="3 White Led", ComponentLink1Description=Hshop, ComponentLink1URL=https://hshop.vn/products/man-hinh-lcd-tft-2-inch-ili9225-giao-tiep-spi, ComponentLink2Description=Thegioiic, ComponentLink2URL=https://www.thegioiic.com/lcd-2inch-176x220-tft-ili9225-giao-tiep-spi, Driver IC=ILI9225, Module Interface="4-wire SPI interface", Module PCB Size="42.46x67.20 (mm)", Resolution="176*220 (Pixel)", Screen Size=2.2(inch), SKU=MAR2201, Type=TFT
P1 P2: "WR-WTB THT Male Vertical Locking Header, pitch 2.54mm, 4p", Contact Resistance=20mOhm, Operating Temperature="-40 to +105degC", Rated Current=3A, Withstanding Voltage=1000VAC, Working Voltage=250VAC, ComponentLink1Description=Manufacturer, ComponentLink1URL=http://www.we-online.de, ComponentLink2Description=Datasheet, ComponentLink2URL=https://www.we-online.com/catalog/datasheet/61900411121.pdf, Gender=Male, Mounting Technology=THT, Packaging=Bag, Part Number=61900411121, Pin Number=4, Pitch=2.54mm, Published Date="January 2020", Publisher="Wurth Elektronik", Type=Vertical
P3 P4: "WR-PHD Pin Header, THT, pitch 2.54mm, Dual Row, Vertical, 64p", Contact Resistance=20mOhm, Manufacturer="Wurth Elektronik", Operating Temperature="-40 to +105degC", Rated Current=3A, Withstanding Voltage=500VAC, Working Voltage=250VAC, ComponentLink1Description=Manufacturer, ComponentLink1URL=http://www.we-online.de, ComponentLink2Description=Datasheet, ComponentLink2URL=https://www.we-online.com/catalog/datasheet/61306421121.pdf, Gender="Pin Header", Manufacturer Part Number=61306421121, Mounting Technology=THT, Orientation=Vertical, Packaging=Bag, Pin Number=64, Pitch=2.54mm, Published Date="May 2020", Row Number=Dual
P5: "WR-PHD Pin Header, THT, pitch 2.54mm, Dual Row, Vertical, 8p", Contact Resistance=20mOhm, Manufacturer="Wurth Elektronik", Operating Temperature="-40 to +105degC", Rated Current=3A, Withstanding Voltage=500VAC, Working Voltage=250VAC, ComponentLink1Description=Manufacturer, ComponentLink1URL=http://www.we-online.de, ComponentLink2Description=Datasheet, ComponentLink2URL=https://www.we-online.com/catalog/datasheet/61300821121.pdf, Gender="Pin Header", Manufacturer Part Number=61300821121, Mounting Technology=THT, Orientation=Vertical, Packaging=Bag, Pin Number=8, Pitch=2.54mm, Published Date="May 2020", Row Number=Dual
Q1 Q2 Q3: "NPN Bipolar Transistor"
R1 R2 R3 R4 R5 R6 R7 R8 R9 R10 R11 R12 R13 R14 R15 R16 R17 R18 R19 R20: "Resistor"
SW1 SW2 SW3 SW4 SW5: "WS-TASV J-Bend SMT Washable Tact Switch, 12VDC, 50mA, 160g, height 3.5mm", Actuator Color=Black, Manufacturer="Wurth Elektronik", Operating Temperature max.=85C, Operating Temperature min.=-40C, Rated Current=50mA, Rated Voltage=12V, ComponentLink1Description="Manufacturer Link", ComponentLink1URL=http://www.we-online.de, ComponentLink2Description=Datasheet, ComponentLink2URL=https://www.we-online.com/catalog/datasheet/430483035816.pdf, Contact Material="Stainless Steel", Contact Plating=Silver, Electrical Life=1000000Cycles, Height=3.5mm, Length=6mm, Manufacturer Part Number=430483035816, Mounting Technology=SMT, Operation Force=160g, Packaging="Tape and Reel", Terminal Material="Copper Alloy", Terminal Plating=Silver, Washable=Yes, Width=6mm
U1: "ARM Microcontrollers - MCU 32BIT Cortex M3 64KB 20KB RAM 2X12 ADC", Manufacturer=STMicroelectronics, Maximum Clock Frequency="72 MHz", Maximum Operating Temperature="+ 85 C", Minimum Operating Temperature="- 40 C", Package / Case=LQFP-48, Supply Voltage - Max="3.6 V", Supply Voltage - Min="2 V", ADC Resolution="12 bit", ComponentLink1Description=Datasheet, ComponentLink1URL=https://www.mouser.vn/datasheet/2/389/stm32f103c8-1851025.pdf, Core="ARM Cortex M3", Data Bus Width="32 bit", Data RAM Size="20 kB", Data RAM Type=SRAM, Interface Type="CAN, I2C, SPI, USART, USB", Length="7 mm", Mounting Style=SMD/SMT, Number of ADC Channels="10 Channel", Number of I/Os="37 I/O", Number of Timers/Counters="3 Timer", Processor Series="ARM Cortex M", Product Category="ARM Microcontrollers - MCU", Program Memory Size="64 kB", Series=STM32F103C8
U2: "The MPU-6050™ parts are the world’s first MotionTracking devices designed for the low power, low cost, and high-performance requirements of smartphones, tablets and wearable sensors.", Mfr=DFRobot, Voltage - Supply="3V ~ 5V", Category="Development Boards, Kits, Programmers", ComponentLink1Description=Hshop, ComponentLink1URL=https://hshop.vn/products/cam-bien-6-dof-bac-tu-do-gy-521-mpu6050, Interface=I2C, Sensing Range="±2g, 4g, 8g, 16g, ±250°/sec, ±500°/sec, ±1000°/sec, ±2000°/sec", Sensor Type="Accelerometer, Gyroscope, 3 Axis", Utilized IC / Part=MPU-6050
U3: "HC-05 Bluetooth module follows the IEEE 802.15.1 standardized protocol, through which one can build a wireless Personal Area Network (PAN). It uses frequency-hopping spread spectrum (FHSS) radio technology to send data over the air.", Emission power="≤4dBm, Class 2", Frequency="2.4GHz ISM band", Supply Current=30mA, Supply Voltage="+3.3V to 6.0 V", Working temperature="-20 ~ +75Centigrade", Bluetooth protocol="Bluetooth Specification v2.0+EDR", ComponentLink1Description=Hshop, ComponentLink1URL=https://hshop.vn/products/mach-thu-phat-bluetooth-hc-05-do-ra-chon-master, Dimension="26.9mm x 13mm x 2.2 mm", Modulation="GFSK (Gaussian Frequency Shift Keying)", Security="Authentication and encryption", Sensitivity="≤-84dBm at 0.1% BER", Speed="Asynchronous communication: 2.1Mbps (Max) / 160 kbps, Synchronous communication: 1Mbps/1Mbps"
U4: "Real Time Clock (RTC) IC Clock/Calendar 56B I²C, 2-Wire Serial 8-SDIP (0.300\", 7.62mm)", Current - Timekeeping (Max)="200µA @ 5V", Mfr="Analog Devices Inc./Maxim Integrated", Operating Temperature="0°C ~ 70°C", Voltage - Supply="4.5V ~ 5.5V", Voltage - Supply, Battery="2V ~ 3.5V", Base Product Number=DS1307, Category="Integrated Circuits (ICs)", ComponentLink1Description=Datasheet, ComponentLink1URL=https://www.analog.com/media/en/technical-documentation/data-sheets/ds1307.pdf, ComponentLink2Description=Thegioiic, ComponentLink2URL=https://www.thegioiic.com/ds1307z-ic-rtc-clock-calendar-56b-8-soic, Date Format=YY-MM-DD-dd, Features="Leap Year, NVSRAM, Square Wave Output", Interface="I²C, 2-Wire Serial", Memory Size=56B, Time Format="HH:MM:SS (12/24 hr)", Type=Clock/Calendar
U5: library part ESP32-WROOM, "Bluetooth, WiFi 802.11b/g/n, Bluetooth v4.2 +EDR, Class 1, 2 and 3 Transceiver Module 2.4GHz ~ 2.5GHz Integrated, Trace Surface Mount", Frequency="2.4GHz ~ 2.5GHz", Mfr="Espressif Systems", Operating Temperature="-40°C ~ 85°C", Power - Output=20dBm, Voltage - Supply="3V ~ 3.6V", Antenna Type="Integrated, Trace", Category="RF and Wireless", ComponentLink1Description=Hshop, ComponentLink1URL=https://hshop.vn/products/mach-thu-phat-wifi-ble-soc-esp32-v1, ComponentLink2Description=Datasheet, ComponentLink2URL=https://www.espressif.com/sites/default/files/russianDocumentation/esp32-wroom-32e_esp32-wroom-32ue_datasheet_en.pdf, Data Rate=150Mbps, Memory Size="4MB Flash, 448kB ROM, 536kB SRAM", Modulation="CCK, DSSS, OFDM", Mounting Type="Surface Mount", Protocol="802.11b/g/n, Bluetooth v4.2 +EDR, Class 1, 2 and 3", RF Family/Standard="Bluetooth, WiFi", Sensitivity=-98dBm, Serial Interfaces="ADC, GPIO, I²C, I²S, PWM, SDIO, SPI, UART", Series=ESP32, Utilized IC / Part=ESP32-D0WD-V3
U6: library part CH340, "USB Bridge, USB to UART USB 2.0 UART Interface", Current - Supply=20mA, Mfr="SparkFun Electronics", Operating Temperature="-20°C ~ 70°C (TA)", Voltage - Supply="3V ~ 3.6V", ComponentLink1Description=Thegioiic, ComponentLink1URL=https://www.thegioiic.com/ch340g, ComponentLink2Description=Datasheet, ComponentLink2URL=https://www.thegioiic.com/upload/documents/5d39d5f0043101a4c964078db79fe1bd.PDF, Function="Bridge, USB to UART", Interface=UART, Protocol=USB, Standards="USB 2.0"
U7: library part LM1117, "Available in 1.8V, 2.5V, 2.85V, 3.3V, 5V, and  Adjustable Versions"
U8: library part TPS54231, "Buck Switching Regulator IC Positive Adjustable 0.8V 1 Output 2A 8-SOIC (0.154\", 3.90mm Width)", Current - Output=2A, Frequency - Switching=570kHz, Mfr="Texas Instruments", Operating Temperature="-40°C ~ 150°C (TJ)", Voltage - Input (Max)=28V, Voltage - Input (Min)=3.5V, Voltage - Output (Max)=25V, Voltage - Output (Min/Fixed)=0.8V, Category="Integrated Circuits (ICs)", ComponentLink1Description=Thegioiic, ComponentLink1URL=https://www.thegioiic.com/tps54231dr-ic-dieu-chinh-giam-ap-2a-8-soic, ComponentLink2Description=Datasheet, ComponentLink2URL=https://www.ti.com/lit/ds/symlink/tps54231.pdf, Function=Step-Down, Mounting Type="Surface Mount", Number of Outputs=1, Output Configuration=Positive, Output Type=Adjustable, Topology=Buck
Y1: library part 830106162701, "WE-XTAL Quartz Crystal, SMT, CFPX-104, 8MHz, +/-20ppm", Frequency Stability=+/-30ppm, Frequency Tolerance=+/-20ppm, Load Capacitance=16pF, Manufacturer="Wurth Elektronik", Operating Temperature="-40 to +85degC", ComponentLink1Description=Manufacturer, ComponentLink1URL=http://www.we-online.de, ComponentLink2Description=Datasheet, ComponentLink2URL=https://www.we-online.com/catalog/datasheet/830106162701.pdf, Frequency=8MHz, Manufacturer Part Number=830106162701, Mounting Technology=SMT, Packaging="Tape and Reel", Published Date="November 2020", Size=CFPX-104
Y2: library part 830002997B, "WE-XTAL Watch Crystal, THT, WATCH, 32.768kHz, +/-20ppm", Frequency Stability=-, Frequency Tolerance=+/-20ppm, Load Capacitance=12.5pF, Manufacturer="Wurth Elektronik", Operating Temperature="-40 to +85degC", ComponentLink1Description=Manufacturer, ComponentLink1URL=http://www.we-online.de, ComponentLink2Description=Datasheet, ComponentLink2URL=https://katalog.we-online.com/pbs/datasheet/830002997B.pdf, Frequency=32.768kHz, Manufacturer Part Number=830002997B, Mounting Technology=THT, Packaging=Bulk, Published Date="July 2020", Size=WATCH
Y3: library part 830055999, "WE-XTAL Quartz Crystal, SMT, CFPX-104, 12MHz, +/-30ppm", Frequency Stability=+/-30ppm, Load Capacitance=18pF, Manufacturer="Wurth Elektronik", Operating Temperature="-40 to +85degC", ComponentLink1Description=Manufacturer, ComponentLink1URL=http://www.we-online.de, ComponentLink2Description=Datasheet, ComponentLink2URL=https://katalog.we-online.com/pbs/datasheet/830055999.pdf, Frequency=12MHz, Frequency Tolerance=+/-30ppm, Manufacturer Part Number=830055999, Mounting Technology=SMT, Packaging="Tape and Reel", Published Date="July 2020", Size=CFPX-104

## Via types
v1: diameter 31.5/31.5 (per signal layer), hole 15.75, Top Layer to Bottom Layer, tented both sides, 145 vias
v2: diameter 23.62, hole 11.81, Top Layer to Bottom Layer, tented both sides, 127 vias
v3: diameter 23.62, hole 11.81, Top Layer to Bottom Layer, 12 vias
v4: diameter 31.5, hole 15.75, Top Layer to Bottom Layer, tented both sides, 1 vias

## Nets (pads, with @x,y where several pads share a name; then routed paths per layer and width w, separated by ;. In a path a pad name is that pad's centre, name@x,y a point inside that pad or via, vN(x,y) a via of type N, cw(c..) or ccw(c..) an arc to the next point about the centre after c; other vN are vias at no path point)
3V3: C3.2 C4.2 C5.2 C6.2 C7.2 C8.2 C9.2 C10.2 C19.2 C20.2 C23.2 C24.2 C31.1 D6.1 L1.2 LCD1.11 P1.1 P2.1 P3.1 P3.2 R1.2 R4.2 R5.2 R6.2 R7.2 R9.2 R10.2 R11.2 R12.2 R18.2 U1.9 U1.24 U1.36 U1.48 U5.2 U6.4 U6.16 | length 19567.3
  Top Layer w8: C10.2@1740,1303 1874.12,1303 U1.9@1967.75,1209.38 ; C7.2@1990,788.83 1990,855.81 U1.24@2076.32,942.12 ; U1.48@2151.48,1323.52 2219,1391.03 C9.2@2219,1503 ; U1.36@2307.38,1092.45 2359.93,1145 C8.2@2547,1145
  Top Layer w20: v2(240,3485) 240.69,3485.69 240.69,3550.69 R10.2@245,3555 ; v2(1990,610) C3.2@1990,698 C7.2@1990,788.83 ; v2(1990,3415) U6.4@1990,3486.54 ; C9.2@2219,1503 C5.2@2219,1595.01 2219.5,1595.51 2219.5,1698.52 2220.31,1699.33 2220.31,1704.31 v2(2221,1705) ; v2(2225.23,2465.23) R12.2@2225.23,2593.73 ; P2.1@2364,234.75 2424.75,234.75 2460,270 v2(2460,395) ; v4(2415,2465) 2796.41,2465 2845,2416.41 2845,2413.3 R4.2@2860,2398.3 ; C8.2@2547,1145 C4.2@2629.01,1145 2629.01,1209.01 v2(2630,1210)
  Top Layer w30: v2(237.86,3722.14) 237.86,3779.71 C23.2@245,3786.85 340,3786.85 342.5,3786.85 357.5,3801.85 357.5,3804.35 379.06,3825.91 U5.2@684.61,3825.91 ; v2(240,3485) 390,3485 495,3380 495,3190 550,3135 v2(720,3135) ; v2(625,395) v2(625,650) ; R7.2@745,418 v2(745,485) ; D6.1@761.34,2386.3 765,2389.96 v2(765,2465) ; R6.2@920,418 v2(920,480) ; R11.2@1005,1845 v2(1005,1940) ; R1.2@1525,1845 v2(1525,1940) ; v2@1573,2585 1573,2955.83 1583,2965.83 R18.2@1585.23,2965.83 ; C31.1@1678.73,2585 v2(1570,2585) 1570,2580 v2(1455,2465) v2(1455,1940) v2(1455,1705) 1455,1405 1557,1303 C6.2@1648,1303 C10.2@1740,1303 ; R5.2@2055,1845 v2(2055,1940) ; U6.16@2140,3216.85 C19.2@2235,3216.85 C20.2@2320,3216.85 v2(2320,3135) ; R9.2@2665,1846 v2(2665,1940) ; P1.1@2841,234.75 2845,238.75 v2(2845,395)
  Top Layer w50: C31.1@1678.73,2585 1678.73,2589.01 1691.72,2602 2091.81,2602 L1.2@2095.23,2598.58
  Bottom Layer w20: P3.2@220,3380 P3.1@320,3380 ; v2(1990,610) 2280,610 ; 1990,3135 v2(1990,3415) ; v2@2225,2465 v2(2225.23,2465.23) ; 2435,1205 2440,1210 v2(2630,1210)
  Bottom Layer w30: P3.2@220,3380 220,3389.46 240,3409.46 v2(240,3485) 240,3720 v2(237.86,3722.14) ; LCD1.11@530,650 v2(625,650) ; v2(625,395) 745,395 ; v2(745,485) 745,395 ; v2(765,2465) v2(1455,2465) 2225,2465 v4(2415,2465) ; v2(920,480) 920,395 ; v2(1005,1940) v2(1455,1940) v2(1525,1940) v2(2055,1940) v2(2665,1940) ; v2(1455,1705) v2(2221,1705) 2435,1491 2435,1205 2435,1010 2280,855 2280,610 2280,400 ; v2(1570,2585) 920,2585 720,2785 v2(720,3135) 1990,3135 v2(2320,3135) ; v2(2845,395) v2(2460,395) 2280,395 920,395 ; 745,395 920,395
5V: BZ1.1 C12.2 C13.2 C29.2 D7.1 P3.63 P3.64 U2.1 U3.2 U4.8 U7.2 U7.4 | length 7540.6
  Top Layer w20: P3.63@320,280 400,200 1105,200 U2.1@1185,280 ; U2.1@1185,285 1186,286 C12.2@1186,419 ; C12.2@1187,419 v2(1187,553) ; U3.2@1472,281 1470.5,282.5 1470.5,418 1465.69,422.81 1465.69,554.31 v2(1465,555) 1465,740 1558.27,833.27 U4.8@1645,833.27
  Top Layer w30: v2(621,2126) 621,895.27 BZ1.1@771.27,745 771.27,556.27 v2(770,555) ; D7.1@2331.34,2386.3 2331.34,2486.34 2405,2560 v2(2545,2560) 2649,2560 2702,2613 C29.2@2702,2674.83 2707.98,2680.81 2707.98,2724.98 2745.04,2762.04 2745.04,2768.58 2777.28,2800.83 U7.4@2795,2800.83 U7.2@2795,3029.17
  Bottom Layer w20: P3.64@220,280 P3.63@320,280 ; v2(770,555) v2@1185,555 ; U2.1@1185,280 U2.1@1185,285 ; v2(1187,553) v2@1185,555 ; v2(1465,555) v2@1185,555
  Bottom Layer w30: v2(621,2126) 625,2130 2340,2130 2545,2335 v2(2545,2560)
5V_USB: D3.1 D9.1 J2.1 | length 454.9
  Top Layer w8: J2.1@2342.18,3718.68 2342.18,3646.32 2295,3599.14 2295,3568.14 2314.86,3548.28 2328.45,3548.28 D3.1@2332.32,3544.41 2332.32,3452.68 2388.39,3396.61 D9.1@2455,3396.61
ENABLE: C25.2 C26.2 Q2.2 R10.1 SW4.B1 SW4.B2 U5.3 | length 2939.1
  Top Layer w10: v2(340,3715) 340,3650 C25.2@335,3645 ; C25.2@357.5,3625 337.5,3645 C25.2@335,3645 ; v2(455,3775) 683.7,3775 U5.3@684.61,3775.91 ; Q2.2@475.79,2610 430,2610 425,2605 ; SW4.B2@488.11,2197.48 482.2,2197.48 459.65,2220.04 459.65,2225.95 425,2260.59 425,2605 ; C25.2@335,3645 R10.1@245,3645 238.36,3638.36 208.36,3638.36 180,3610 180,3485 215,3450 355,3450 425,3380 425,2610 425,2605
  Top Layer w20: SW4.B2@488.11,2197.48 665,2197.48 ; C26.2@670.35,1845 670.35,2192.13 665,2197.48 ; SW4.B1@751.89,2197.48 665,2197.48
  Bottom Layer w10: v2(340,3715) 400,3775 v2(455,3775)
FLASH: C27.2 Q3.2 R11.1 SW5.B1 SW5.B2 U5.25 | length 1889.4
  Top Layer w20: SW5.B2@1012.76,2197.48 1195,2197.48 ; R11.1@1095,1845 C27.2@1195,1845 1195,2197.48 ; Q3.2@1299.21,2610 1385,2610 1390,2605 ; U5.25@1393.27,3225.91 1390,3222.64 1390,2605 ; 1195,2197.48 SW5.B1@1276.54,2197.48 1282.44,2197.48 1300,2215.04 1300,2220.95 1390,2310.95 1390,2605